# Altium PCB S7CAS-PLEIADES-CARTE-MERE_Pxx.PcbDoc (part 6 of 8) (continued)
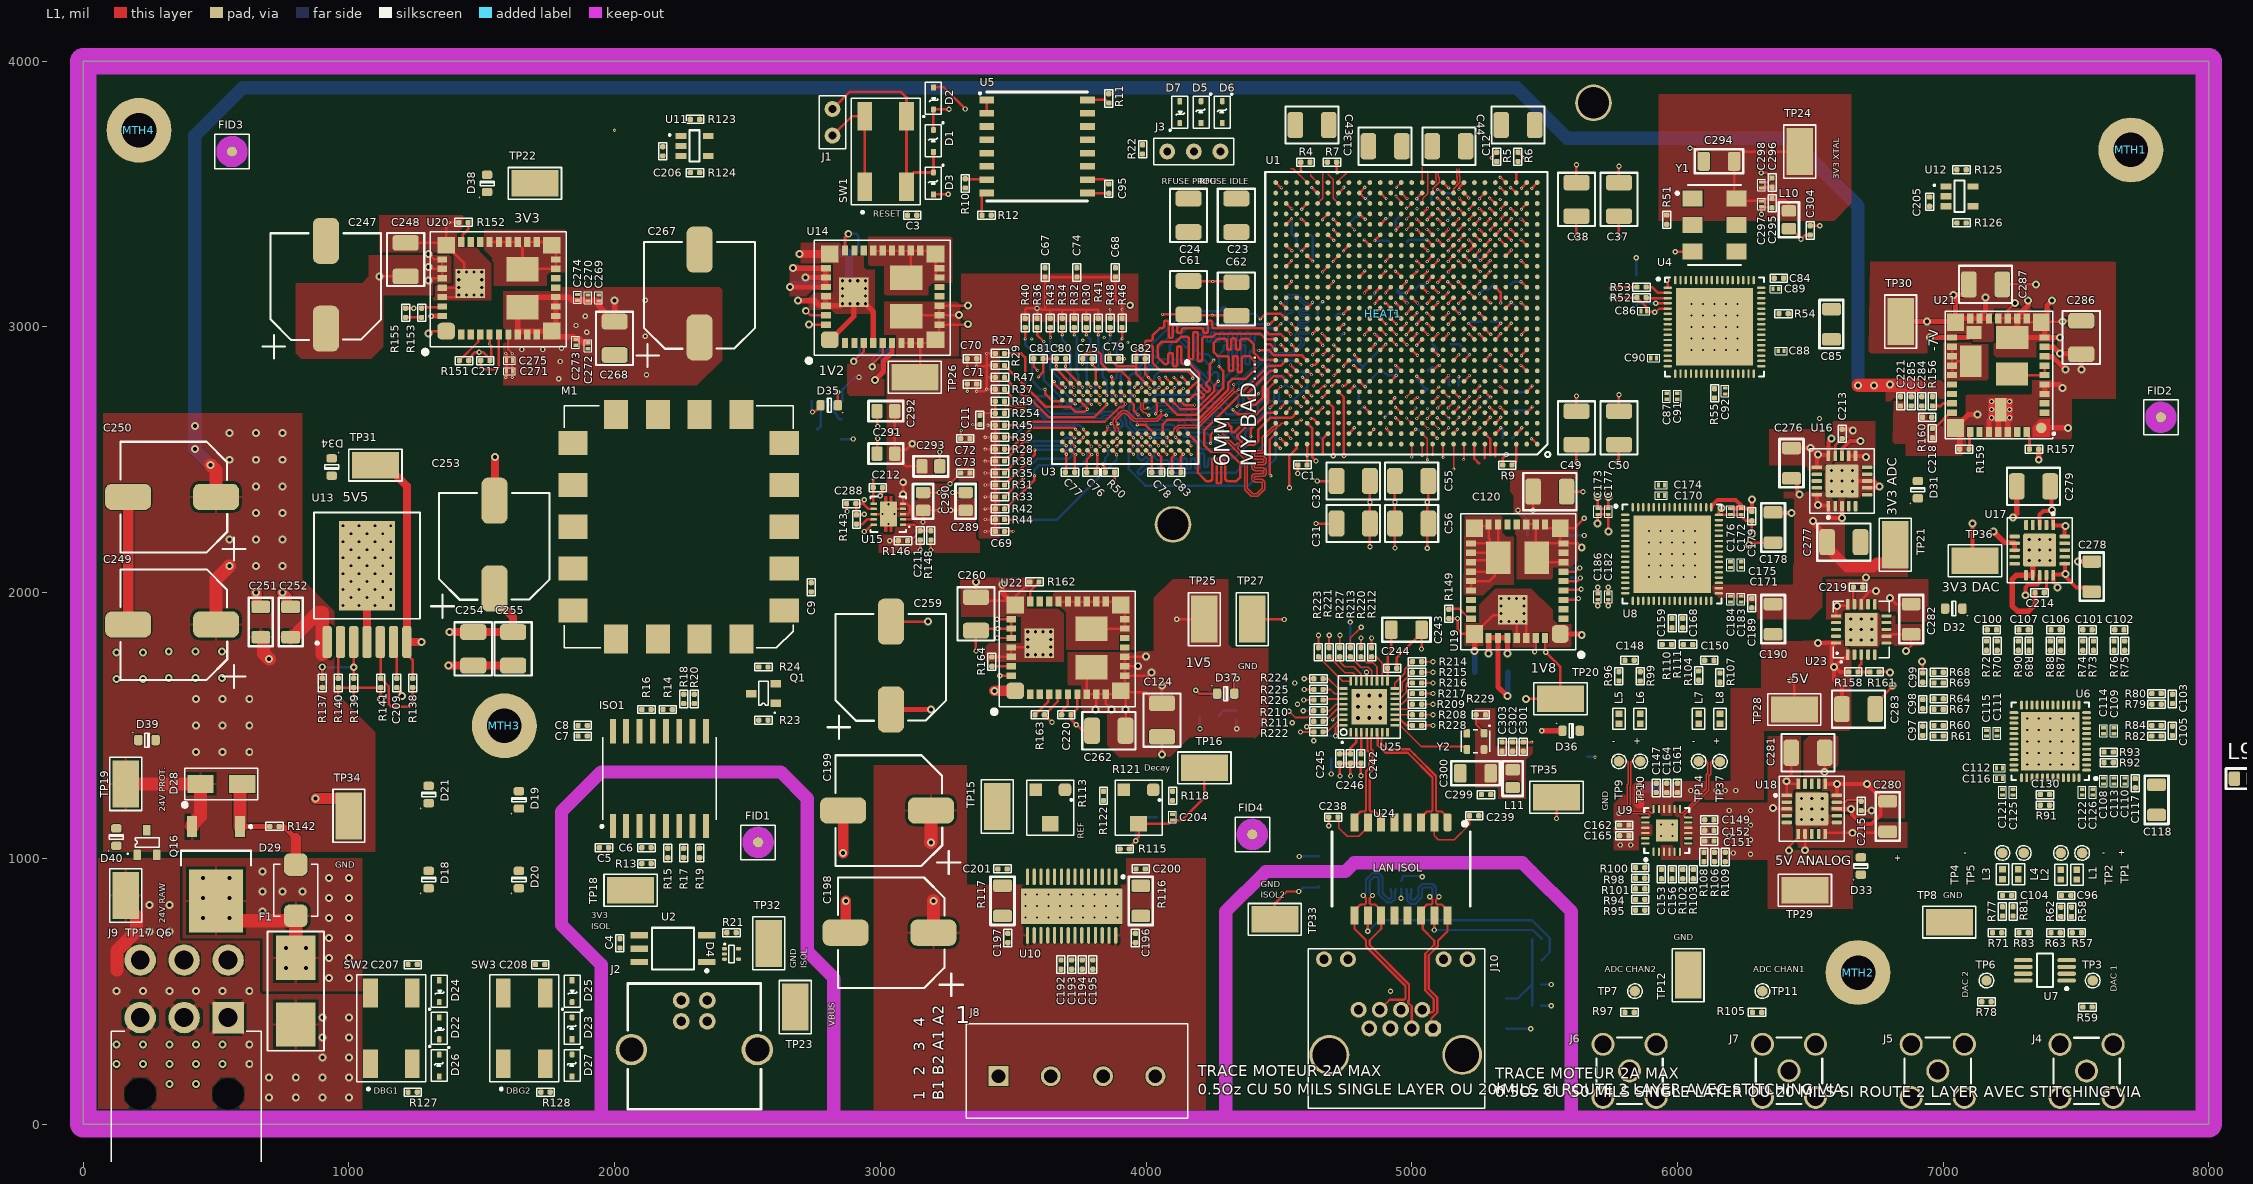
[diagram p0: L1 view]
## Nets (pads, with @x,y where several pads share a name; then routed paths per layer and width w, separated by ;. In a path a pad name is that pad's centre, name@x,y a point inside that pad or via, vN(x,y) a via of type N, cw(c..) or ccw(c..) an arc to the next point about the centre after c; other vN are vias at no path point) (continued)
  L1 w30: U13.4@1068.03,1813.9 v3(1068.03,1981.5) v3(1068.03,2041.5) v3(1068.03,2101.5) ; v2(1375.52,1725.52) C254.1@1468.03,1725.52 C255.1@1618.03,1725.52 ; C253.2@1548.03,2346.21 1550,2348.17 v2(1550,2510) ; v2(2695.67,3274.33) U14.29@2810,3274.33
  L1 w40: C249.2@169.29,1880 C250.2@169.29,2360 ; v2(650,2000) 652.53,1997.47 652.53,1949.91 656.03,1946.41 C251.1@668.03,1946.41 ; v2(750,2000) 765.25,1984.75 765.25,1949.91 768.75,1946.41 C252.1@780.75,1946.41 ; D29.2@800,976.46 800,1075 ; v2(875,1225) 970.2,1225 1000,1195.2 TP34.1@1000,1160 ; v2(2860,1020) C199.2@2860,1180 ; C198.2@2869.29,720 2869.29,839.29 v2(2870,840) ; v2(3430,1630) 3430.31,1630.31 U22.1@3507.6,1630.31
  L3 w9.39: v1(3918.99,2880) v1@3920.29,2878.69
  L2 (GND) w9.39: 4429.05,2598.69 4431.72,2596.02 4643.26,2596.02 4665.84,2618.6 4665.84,2638.09 4681.78,2654.02 4681.78,2719.07 4674.11,2726.74 ; v1(4544,2739) 4561.02,2721.98 4562.02,2721.98 4565.66,2718.34 4665.71,2718.34 4674.11,2726.74 ; 4775.02,2885.61 4742.85,2917.79 4742.85,2929.13 4710.67,2961.31 4634.73,2961.31 4623.43,2950 4520,2950 4508.36,2938.36 4508.36,2933.56 v1(4507.87,2933.07) 4559.98,2880.95 4559.98,2856.37 4581.36,2834.98 4605.95,2834.98 4610.93,2830 4629.35,2830 4657.98,2801.36 4657.98,2762.79 4675.69,2745.08 4675.69,2728.33 4674.11,2726.74
  L14 w9.39: v3(4203,1488) Q13.2@4203,1534 ; v1(4547.82,3407.68) 4548.32,3407.18 4548.32,3351.23 C15.1@4553.1,3346.45 4567.08,3332.47 4567.08,3304.16 v1(4586.02,3285.22) ; v3(4577,1007) C119.1@4650,1007 ; v1(4623.8,3524.2) 4624.3,3523.7 4624.3,3520.96 4650.5,3494.76 C16.1@4650.5,3487 ; R1.1@4641.29,2598.42 4666,2573.71 v1(4666,2522) ; v3(4697.05,1317.05) C241.1@4697.05,1375.51 ; v1(4705,3405) 4705.22,3405 C22.1@4724.4,3385.82 ; C63.1@4713.5,3040 4722.5,3049 v1(4743.5,3049) ; C2.1@4720.03,2952.75 4742.28,2975 v1(4745,2975) ; v1(4743.5,2852.15) 4765.36,2874.01 4791.72,2874.01 C57.1@4816.5,2849.24 ; v1(4784.04,2777.76) 4800,2761.8 C60.1@4800,2717.5 ; C57.1@4816.5,2845 C57.1@4816.5,2849.24 ; v1(4825,3483.66) 4825.5,3484.16 4827.11,3484.16 C21.1@4846.88,3503.93 ; v1@4828.28,3483.16 R8.1@4846.88,3464.56 ; C27.1@4846.88,3110.23 4846.88,3110.94 4861.11,3125.17 4861.11,3127.24 v1(4861.61,3127.74) ; v1(4902.15,2935.24) 4901.45,2935.24 4816.5,2850.29 C57.1@4816.5,2849.24 ; v1(4902.15,3407.68) 4902.65,3408.18 4909.97,3408.18 4921.79,3420 C20.1@4922.5,3420 ; C59.1@4921.25,2716.53 4921.25,2717.24 4935.76,2731.75 4935.76,2732.61 v1(4936.26,2733.11) ; v1(4938.76,3091.13) 4939.26,3090.63 4939.26,3088.24 C28.1@4957.5,3070 ; C45.1@4983.5,3324.24 C45.1@4983.5,3320 4990.85,3327.35 v1(5056.87,3327.35) ; C25.1@5013.5,3140 5013.5,3141.88 5030.06,3158.44 5049.08,3158.44 5057.75,3167.11 v1(5058.46,3167.11) ; v1(5015,2615) 5015.49,2614.51 5023.99,2614.51 C36.1@5039.5,2599 ; v1(5021.85,3089.96) 5022.35,3089.46 5022.35,3088.58 5039.36,3071.57 C29.1@5039.36,3070.86 ; C33.1@5060,2833.5 5074.79,2848.29 5097.59,2848.29 5104.29,2855 v1(5105,2855) ; C47.1@5074.36,3464.56 5074.36,3493.52 v1(5097.63,3516.79) 5098.13,3516.29 5105.74,3516.29 5118.1,3503.93 C10.1@5157.34,3503.93 ; C35.1@5077.87,2717.37 C35.1@5077.5,2717 5077.56,2717 5098.95,2738.39 v1(5099,2738.39) ; v1(5135.61,3400.51) 5136.11,3401.01 5136.11,3406.11 C48.1@5155,3425 ; C26.1@5146.5,2934 5178.98,2934 v1(5217.11,2895.87) ; C10.1@5157.34,3499.43 C10.1@5161.84,3503.93 ; v1(5176.57,3088.37) 5177.07,3088.87 5177.07,3090.46 C19.1@5196.84,3110.23 ; C34.1@5177.5,2780 v1(5177.5,2812.5) ; v1(5210.69,3285.9) 5211.19,3286.4 5215.53,3286.4 C18.1@5236.21,3307.08 ; C53.1@5237.5,2715 5255.98,2733.48 5255.98,2737.89 v1(5256.48,2738.39) ; v1(5255,3125) 5270.92,3140.92 5289.94,3140.92 5306.5,3157.48 C39.1@5306.5,3160 ; C40.1@5297.5,3020 5328.5,3020 5334.52,3013.98 v1(5335.22,3013.98) ; v1(5330.82,3330) 5331.11,3330 5354.03,3307.08 C42.1@5354.32,3307.08 ; v1(5335.22,2620.28) 5335.22,2619.57 5342.5,2612.29 C54.1@5342.5,2580 ; C51.1@5380,2753.5 5429.07,2753.5 v1(5453.33,2777.76) ; v1(5411.2,3091.13) 5411.7,3090.63 5413.29,3090.63 C41.1@5433.06,3070.86 ; C258.1@5562.99,2215 v3(5650,2215) ; R150.1@5600,2012.5 v3(5637.5,2012.5) ; C216.1@5600,2092.5 v3(5632.5,2092.5) ; C94.1@5844.69,3194 5844.69,3259.69 v3(5845,3260)
  L14 w9.44: Q11.2@2853.5,2578 v3(2898,2578)
  L14 w20: v2(2690,3100) 2757.5,3100 R147.1@2780,3077.5 ; v2(2980,2800) 3008.75,2828.75 3008.75,2891.25 C210.1@3037.5,2920 ; C256.1@5237.01,1700 v2(5237.01,1780.96)
  L14 w30: v2(2695.67,3274.33) 2771.34,3274.33 C264.1@2780,3282.99 2782.99,3280 R144.1@2882.5,3280 2882.5,3148.69 U14.37@2900.55,3130.63
  other v1: 3531,2679 5059.5,2693.29 3524,2717 3697.43,2851.66 3666,2929 1529.46,2935.54 3932,2941 3762,2950 3570,2955 3843,2960 4251,3171 5099,3366 5217,3366 5413,3366 5020,3445 5333,3480
  other v2: 325,150 425,150 125,225 225,225 325,225 425,225 525,225 125,300 225,300 325,300 425,300 525,300 6658.74,1096.12
  other v3: 3738,1503 4550,1510 4570,1580 4560,1660 978.03,1951.5 1038.03,1951.5 1098.03,1951.5 1158.03,1951.5 1008.03,1981.5 1128.03,1981.5 978.03,2011.5 1038.03,2011.5 1098.03,2011.5 1158.03,2011.5 1008.03,2041.5 1128.03,2041.5 978.03,2071.5 1038.03,2071.5 1098.03,2071.5 1158.03,2071.5 1008.03,2101.5 1128.03,2101.5 978.03,2131.5 1038.03,2131.5 1098.03,2131.5 1158.03,2131.5 1008.03,2161.5 1068.03,2161.5 1128.03,2161.5 978.03,2191.5 1038.03,2191.5 1098.03,2191.5 1158.03,2191.5 1008.03,2221.5 1068.03,2221.5 1128.03,2221.5 978.03,2251.5 1038.03,2251.5 1098.03,2251.5 1158.03,2251.5
  other v4: 3546.77,776.69 3590.08,776.69 3633.39,776.69 3676.69,776.69 3720,776.69 3763.31,776.69 3806.61,776.69 3849.92,776.69 3893.23,776.69 3546.77,820 3590.08,820 3633.39,820 3676.69,820 3720,820 3763.31,820 3806.61,820 3849.92,820 3893.23,820 3546.77,863.31 3590.08,863.31 3633.39,863.31 3676.69,863.31 3720,863.31 3763.31,863.31 3806.61,863.31 3849.92,863.31 3893.23,863.31 7316.69,1353.39 7360,1353.39 7403.31,1353.39 7446.61,1353.39 7489.92,1353.39 7316.69,1396.69 7360,1396.69 7403.31,1396.69 7446.61,1396.69 7489.92,1396.69 7316.69,1440 7360,1440 7403.31,1440 7446.61,1440 7489.92,1440 7316.69,1483.31 7360,1483.31 7403.31,1483.31 7446.61,1483.31 7489.92,1483.31 7316.69,1526.61 7360,1526.61 7403.31,1526.61 7446.61,1526.61 7489.92,1526.61 5893.39,2058.39 5936.69,2058.39 5980,2058.39 6023.31,2058.39 6066.61,2058.39 5893.39,2101.69 5936.69,2101.69 5980,2101.69 6023.31,2101.69 6066.61,2101.69 5893.39,2145 5936.69,2145 5980,2145 6023.31,2145 6066.61,2145 5893.39,2188.31 5936.69,2188.31 5980,2188.31 6023.31,2188.31 6066.61,2188.31 5893.39,2231.61 5936.69,2231.61 5980,2231.61 6023.31,2231.61 6066.61,2231.61 6053.07,2913.39 6096.38,2913.39 6139.69,2913.39 6182.99,2913.39 6226.3,2913.39 6053.07,2956.69 6096.38,2956.69 6139.69,2956.69 6182.99,2956.69 6226.3,2956.69 6053.07,3000 6096.38,3000 6139.69,3000 6182.99,3000 6226.3,3000 6053.07,3043.31 6096.38,3043.31 6139.69,3043.31 6182.99,3043.31 6226.3,3043.31 6053.07,3086.61 6096.38,3086.61 6139.69,3086.61 6182.99,3086.61 6226.3,3086.61
  other v5: 3554.84,1766.14 3583.84,1766.13 3612.58,1766.13 3641.52,1766.13 3641.54,1795.08 3554.84,1823.82 3641.54,1823.82 3554.84,1852.76 3583.86,1852.76 3612.6,1852.76 3641.54,1852.76 5336.69,1891.69 5365.63,1891.69 5394.37,1891.69 5336.69,1920.71 5423.32,1920.69 5336.69,1949.45 5423.32,1949.44 5336.69,1978.39 5365.63,1978.39 5394.37,1978.39 5423.32,1978.37 2886.25,3087.31 2914.99,3087.31 2943.92,3087.31 2857.24,3116.26 2943.94,3116.26 1442.32,3120 1471.06,3120 1500,3120 2857.24,3145 2943.94,3145 1413.32,3148.95 1500.01,3148.95 2857.24,3173.94 2886.26,3173.94 2915,3173.94 2943.94,3173.94 1413.32,3177.69 1500.01,3177.69 1442.34,3206.63 1471.08,3206.63 1500.01,3206.63
  other v6: 6466.53,1146.53 6505.9,1146.53 6545.27,1146.53 6466.53,1185.9 6505.9,1185.9 6545.27,1185.9 6466.53,1225.27 6505.9,1225.27 6545.27,1225.27 7323.94,2120.63 7363.31,2120.63 7402.68,2120.63 7323.94,2160 7402.68,2160 7323.94,2199.37 7363.31,2199.37 7402.68,2199.37 6580,2380.63 6619.37,2380.63 6658.74,2380.63 6580,2420 6619.37,2420 6580,2459.37 6619.37,2459.37 6658.74,2459.37
  other v7: 6652.57,1821.91 6691.94,1821.91 6731.31,1821.91 6652.57,1861.28 6691.94,1861.28 6731.31,1861.28 6652.57,1900.65 6691.94,1900.65 6731.31,1900.65
  other v8: 3940,3081
  other v9: 3030.48,2257.79 3053.11,2295.2
HSWAPEN: R9.2 U1.A3 | length 85.8
  L1 w10: R9.2@5377.5,2480 5393.69,2496.19 U1.A3@5393.69,2559.05
IND1_N: L6.2 R99.2
IND1_P: L5.2 R96.2
IND2_N: L8.2 R107.2
IND2_P: L7.2 R104.2
INIT_B: R5.1 U1.AE4 | length 30.3
  L1 w9.39: v1@5332.46,3524.2 5332.96,3523.7 5334.55,3523.7 U1.AE4@5354.32,3503.93
  other v1: 5332.71,3523.95
INTRP: R207.1 U1.D10 U25.21 | length 1284.2
  L1 w6.36: U25.21@4830.16,1666.77 v3(4830.16,1699.84) ; U1.D10@5118.1,2677.16 5118.9,2677.16 5139.17,2656.89 v1(5139.96,2656.89)
  L12 w3.64: v3(4830.16,1699.84) 4830.16,1831.16 4981.96,1982.96 4981.96,2356.96 5128.92,2503.92 5128.92,2532.78 5085.18,2576.52 5085.18,2626.18 5115.89,2656.89 v1(5139.96,2656.89)
  L14 w6.36: R207.1@4769.05,1758.01 4770.52,1758.01 4828.68,1699.84 v3(4830.16,1699.84)
ISENA: C200.2 R116.2 U10.1
ISENB: C201.2 R117.2 U10.14
ISOL2_GND: C119.2 C240.1 D30.3 D30.8 TP33.1 | length 472.5
  L1 w9: TP33.1@4485,770 4485,830 4530,875 v3(4575,875)
  L14 w9: v3(4575,875) 4577.98,875 4592.98,890 4647,890 C119.2@4650,893 ; v3(4960,850) D30.3@4960,884.84 ; D30.8@4960,915.16 4963.37,918.53 4963.37,926.19 4970.67,933.48 5033.54,933.48 5037.02,930 v3(5040,930) ; C240.1@5355,358 v3(5448,358)
ISOL_GND: C5.1 C6.1 D4.4 ISO1.2 ISO1.8 J2.4 J2.5 J2.6 R21.1 TP32.1
  other v3: 4920,500
LDM: U1.J24 U3.E7 | length 967.5
  L1 w9.39: v1(3967,2631.26) 3998.61,2631.26 U3.E7@4030.91,2598.96 ; U1.J24@4566.99,2873.94 4582.93,2858 v1(4583,2858)
  L14 w9.36: v1(3967,2631.26) 3966.5,2631.73 3966.5,2649.02 3953.97,2661.55 3953.97,2675.97 3992,2714 4008.97,2714 4039.97,2745 4171.2,2745 4186.73,2729.47 4187.49,2729.47 4220.96,2696 4280,2696 4304,2672 4339,2672 4366.69,2699.69 4366.69,2769.72 4469.73,2872.76 4568.2,2872.76 v1@4582.46,2858.5
LDQS_N: U1.F26 U3.G3 | length 964.6
  L1 w4.82: U3.G3@3968.5,2724.4 3979.33,2713.57 3979.33,2689.63 3992.31,2676.65 3999.94,2676.65 4009.28,2667.31 v1(4010.05,2667.31) ; U1.F26@4488.18,2755.9 v1(4507.87,2775.58)
  L14 w4.85: v1(4010.05,2667.31) 4010.05,2669.24 4013.34,2672.53 4013.34,2673.74 4020.56,2680.96 4024.51,2680.96 4047.28,2703.72 4067,2703.72 4074.35,2703.72 ccw(c4074.35,2718.42) 4089.05,2718.42 4089.05,2718.57 cw(c4093.19,2718.57) 4093.19,2722.72 4096.75,2722.72 cw(c4096.75,2718.57) 4100.89,2718.57 4100.89,2706.31 ccw(c4114.89,2706.31) 4114.89,2692.31 4118.44,2692.31 ccw(c4118.44,2706.31) 4132.44,2706.31 4132.44,2716.65 cw(c4136.58,2716.65) 4136.58,2720.79 4140.14,2720.79 cw(c4140.14,2716.65) 4144.29,2716.65 4144.29,2714.8 ccw(c4158.98,2714.8) 4148.61,2704.39 4175,2678 4188.07,2678 4190,2676.07 4226.35,2639.72 4238,2639.72 4245.35,2639.72 ccw(c4245.35,2654.42) 4260.05,2654.42 4260.05,2664.39 cw(c4264.19,2664.39) 4264.19,2668.54 4267.75,2668.54 cw(c4267.75,2664.39) 4271.89,2664.39 4271.89,2654.42 ccw(c4286.59,2654.42) 4286.59,2639.72 4311,2639.72 4351.72,2639.72 4400,2688 4400,2760 4447.5,2807.5 4447.99,2807.99 4454.84,2807.99 ccw(c4454.84,2822.69) 4469.54,2822.69 4469.54,2834 cw(c4473.69,2834) 4473.69,2838.15 4477.24,2838.15 cw(c4477.24,2834) 4481.39,2834 4481.39,2822.69 ccw(c4496.09,2822.69) 4496.09,2807.99 4509.99,2807.99 4522.63,2795.36 4522.63,2778.43 4519.79,2775.59 v1(4507.87,2775.58)
LDQS_P: U1.F24 U3.F3 | length 965.1
  L1 w4.82: U3.F3@3999.99,2724.4 3989.16,2713.57 3989.16,2693.7 3991.98,2690.87 3997.24,2690.87 3999.75,2693.39 4007.22,2693.39 v1(4008.06,2694.23) ; v1(4547.24,2775.59) U1.F24@4566.92,2755.9
  L14 w4.85: v1(4008.06,2694.23) 4009.99,2694.23 4013.42,2690.8 4020.43,2690.8 4043.2,2713.57 4067,2713.57 4074.35,2713.57 ccw(c4074.35,2718.42) 4079.2,2718.42 4079.2,2718.57 cw(c4093.19,2718.57) 4093.19,2732.57 4096.75,2732.57 cw(c4096.75,2718.57) 4110.74,2718.57 4110.74,2706.31 ccw(c4114.89,2706.31) 4114.89,2702.16 4118.44,2702.16 ccw(c4118.44,2706.31) 4122.59,2706.31 4122.59,2716.65 cw(c4136.58,2716.65) 4136.58,2730.64 4140.14,2730.64 cw(c4140.14,2716.65) 4154.13,2716.65 4154.13,2714.8 ccw(c4158.98,2714.8) 4155.55,2711.37 4179.08,2687.85 4190,2687.85 4192.15,2687.85 4197.99,2682.01 4199.7,2680.3 ccw(c4203.13,2683.73) 4206.56,2680.3 4207.92,2681.66 cw(c4210.85,2678.73) 4213.79,2681.66 4216.3,2679.15 cw(c4213.37,2676.22) 4216.3,2673.29 4214.93,2671.92 ccw(c4218.36,2668.49) 4214.93,2665.07 4222.62,2657.38 4224.34,2655.66 4230.43,2649.57 4238,2649.57 4245.35,2649.57 ccw(c4245.35,2654.42) 4250.2,2654.42 4250.2,2664.39 cw(c4264.19,2664.39) 4264.19,2678.39 4267.75,2678.39 cw(c4267.75,2664.39) 4281.74,2664.39 4281.74,2654.42 ccw(c4286.59,2654.42) 4286.59,2649.57 4311,2649.57 4347.64,2649.57 4390.15,2692.08 4390.15,2764.08 4443.91,2817.84 4447.5,2817.84 4454.84,2817.84 ccw(c4454.84,2822.69) 4459.69,2822.69 4459.69,2834 cw(c4473.69,2834) 4473.69,2848 4477.24,2848 cw(c4477.24,2834) 4491.24,2834 4491.24,2822.69 ccw(c4496.09,2822.69) 4496.09,2817.84 4505.91,2817.84 4514.07,2817.84 4532.47,2799.44 4532.47,2785.47 ; 4532.47,2782.59 4532.47,2778.43 4535.31,2775.59 v1(4547.24,2775.59)
M0: R7.2 U1.AF22 | length 42.3
  L1 w6.36: 4620,3575 4620,3568.96 U1.AF22@4645.66,3543.3
M1: R8.2 U1.AD16
MDC: R209.1 U1.A9 | length 1054.9
  L1 w6.36: R209.1@5037.5,1580 v3(5080,1580) ; U1.A9@5157.47,2559.05 5158.24,2558.29 5158.24,2465.76 v1(5159,2465)
  L12 w3.64: v3(5080,1580) 5120,1620 5120,2006 5159,2045 v1(5159,2465)
MDIO: R208.1 U1.C9 | length 1251.3
  L1 w6.36: R208.1@5037.5,1540 v3(5080,1540) ; U1.C9@5157.47,2637.79 5157.47,2638.58 5177.74,2658.86 v1(5177.74,2659.65)
  L12 w3.64: v3(5080,1540) 5131,1591 5131,1944 5174,1987 5174,2584.44 5200,2610.44 5200,2637.39 v1(5177.74,2659.65)
MII_CONFIG2: R212.1 U1.B10 | length 977.4
  L1 w6.36: R212.1@4849.05,1793.01 v3(4849.05,1829.05) ; U1.B10@5118.1,2598.42 5118.1,2599.21 5138.37,2619.49 v1(5138.37,2620.28)
  L12 w3.64: v3(4849.05,1829.05) 4999,1979 4999,2362 5138.37,2501.37 v1(5138.37,2620.28)
MII_NWAYEN: R218.1 U1.C10 U25.30 | length 1396.4
  L1 w6.36: v1(4703,1521) 4722.56,1540.56 4743.32,1540.56 U25.30@4743.54,1540.79 ; v1(5096.24,2658.06) 5097.04,2658.06 5117.31,2637.79 U1.C10@5118.1,2637.79
  L3 w3.64: v1(4703,1521) 4703,1593.64 4990.43,1881.07 4990.43,2402.93 5102,2514.5 5102,2568.49 5117.31,2583.8 5117.31,2637 v1(5096.24,2658.06)
MII_RXC: R220.1 U1.A13 | length 842.2
  L1 w6.36: R220.1@4809.05,1793.01 v3(4809.05,1829.05) ; v1@4999.99,2513.3 U1.A13@4999.99,2559.05
  L12 w3.64: v3(4809.05,1829.05) 4891,1911 4891,2401.4 v1(5000,2510.4)
MII_RXD0: R214.1 U1.D11 | length 1181.9
  L1 w6.36: R214.1@5037.5,1740 v3(5080,1740) ; v1(5058.46,2655.3) 5058.46,2656.1 5078.73,2676.37 U1.D11@5078.73,2677.16
  L3 w3.64: v1(5058.46,2655.3) 5078.73,2675.57 5141.43,2675.57 5210,2607 5210,2470 5080,2340 v3(5080,1740)
MII_RXD1: R215.1 U1.F11 | length 1298.8
  L1 w6.36: R215.1@5037.5,1700 v3(5080,1700) ; U1.F11@5078.73,2755.9 5081.8,2755.9 5085.87,2759.97 5087.97,2759.97 v1(5102,2774)
  L3 w3.64: v3(5080,1700) 5095,1715 5095,2335 5236.21,2476.21 5236.21,2663.79 5187.59,2712.41 5134.34,2712.41 5120,2726.75 5120,2740.29 5102,2758.29 v1(5102,2774)
MII_RXD2: R216.1 U1.C11 | length 1185.2
  L1 w6.36: R216.1@5037.5,1660 v3(5080,1660) ; U1.C11@5078.73,2637.79 5079.53,2637.79 5099.8,2617.52 v1(5100.59,2617.52)
  L12 w3.64: v3(5080,1660) 5007,1733 5007,1966.49 5135.48,2094.97 5135.48,2469.48 5151.21,2485.21 5151.21,2622.74 5142.85,2631.1 5114.17,2631.1 v1(5100.59,2617.52)
MII_RXD3: R217.1 U1.A11 | length 83.8
  L1 w6.36: R217.1@5037.5,1620 v3(5080,1620) ; v1@5078.73,2517.73 U1.A11@5078.73,2559.05
  other v1: 5078.73,2520.08
MII_RXER: R213.1 U1.A10 | length 1081
  L1 w6.36: R213.1@4769.05,1793.01 4769.05,1829.05 v3(4810,1870) ; v1@5118.1,2509.1 v1(5118.1,2509.5) U1.A10@5118.1,2559.05
  L12 w3.64: v3(4810,1870) 4810,2403.16 4978.84,2572 5055.6,2572 v1(5118.1,2509.5)
MII_TXC: R227.1 U1.C13 | length 995.9
  L1 w6.36: R227.1@4729.05,1793.01 4729.05,1839.05 v3(4730,1840) ; v1(4980,2657) 4980.39,2657 4999.6,2637.79 U1.C13@4999.99,2637.79
  L12 w3.64: v3(4730,1840) 4730,2407 v1(4980,2657)
MII_TXD0: R223.1 U1.D12 | length 1126.1
  L1 w6.36: R223.1@4649.05,1793.01 v3(4649.05,1839.05) ; v1(5019.09,2655.3) 5019.09,2656.1 5039.36,2676.37 U1.D12@5039.36,2677.16
  L3 w3.64: v3(4649.05,1839.05) 4649.05,2104.05 4815.69,2270.69 4815.69,2395.69 5011.6,2591.6 5053.1,2591.6 5072.04,2610.54 5072.04,2622.96 5039.7,2655.3 v1(5019.09,2655.3)
MII_TXD1: R224.1 U1.C12 | length 1263.1
  L1 w6.36: v3(4595.51,1675.51) R224.1@4631.55,1675.51 ; U1.C12@5039.36,2637.79 5040.16,2637.79 5060.43,2617.52 v1(5061.22,2617.52)
  L3 w3.64: v3(4595.51,1675.51) 4595.51,1779.49 4625,1808.99 4625,2100 4790,2265 4790,2430 4993,2633 5045.74,2633 v1(5061.22,2617.52)
MII_TXD2: R225.1 U1.F13 | length 1339.3
  L1 w6.36: v3(4595.51,1635.51) R225.1@4631.55,1635.51 ; v1(4980.78,2736.3) 4980.78,2736.69 U1.F13@4999.99,2755.9 U1.F13@4999.99,2756.29
  L12 w3.64: v3(4595.51,1635.51) 4625.62,1665.62 4625.62,1947.91 4687.48,2009.77 4687.48,2428.48 4881,2622 4881,2662 4955.3,2736.3 v1(4980.78,2736.3)
MII_TXD3: R226.1 U1.D13 | length 1336.3
  L1 w6.36: v3(4593.51,1595.51) R226.1@4631.55,1595.51 ; U1.D13@4999.99,2677.16 4999.99,2677.95 5015.94,2693.9 v1(5015.94,2694.7)
  L12 w3.64: v3(4593.51,1595.51) 4790,1792 4790,2426 5000,2636 5000,2678.76 v1(5015.94,2694.7)
MII_TXEN: R221.1 U1.B12 | length 1078.1
  L1 w6.36: R221.1@4689.05,1793.01 4689.05,1839.05 v3(4690,1840) ; U1.B12@5039.36,2598.42 5059,2578.78 5059,2501 v1(5060,2500)
  L3 w3.64: v3(4690,1840) 4690,2120 4875,2305 4875,2415 5005,2545 5040,2545 5058.96,2526.04 5058.96,2501.04 v1(5060,2500)
MII_TXER: R222.1 U1.A12 | length 1358.2
  L1 w6.36: v3(4581.49,1475.51) R222.1@4631.55,1475.51 ; v1@5039.36,2515.36 v1(5039.36,2515.76) U1.A12@5039.36,2559.05
  L3 w3.64: v3(4581.49,1475.51) 4640.51,1475.51 4667,1502 4667,1721 4744.82,1798.82 4744.82,1914.18 4955,2124.36 4955,2431.4 v1(5039.36,2515.76)
MISO: R12.2 U1.AD20 | length 126.8
  L1 w6.36: 4685,3575 4705,3555 4705,3483.96 U1.AD20@4724.4,3464.56
MOSI: U1.AF20 U5.15 | length 54.6
  L1 w6.36: U1.AF20@4724.4,3543.3 4726.57,3545.47 4726.57,3551.57 4758.67,3583.67
nCAS: R46.2 U1.J22 U3.K3 | length 1795.6
  L1 w9.39: U3.K3@3874.01,2724.4 3876.26,2724.4 3880.43,2720.24 3881.05,2720.24 v1@3887.36,2713.93 ; v1(3910,2955.47) R46.2@3910,2997.5 ; v1(4624,2854.76) 4624.71,2854.76 4627.74,2857.79 4637.21,2857.79 4644.07,2864.65 4644.07,2872.42 U1.J22@4645.66,2874.01
  L3 w5.82: v1(3887.36,2708.66) 3904.08,2708.66 3917.11,2695.62 3965.1,2695.62 3999.98,2730.5 4148,2730.5 4150.91,2730.5 ccw(c4150.91,2736.33) 4156.73,2736.33 4156.73,2757.64 cw(c4161.22,2757.64) 4161.22,2762.12 4165.07,2762.12 cw(c4165.07,2757.64) 4169.56,2757.64 4169.56,2736.33 ccw(c4175.38,2736.33) 4175.38,2730.5 4222,2730.5 4249.74,2730.5 4257.72,2738.49 4260.63,2741.4 ccw(c4255.22,2746.82) 4262.88,2746.82 4262.88,2776.53 cw(c4267.37,2776.53) 4267.37,2781.02 4271.21,2781.02 cw(c4271.21,2776.53) 4275.7,2776.53 4275.7,2770.52 ccw(c4281.52,2770.52) 4285.64,2766.41 4312.46,2793.23 ccw(c4308.35,2797.35) 4314.17,2797.35 4314.17,2847.07 cw(c4318.66,2847.07) 4318.66,2851.56 4322.5,2851.56 cw(c4322.5,2847.07) 4326.99,2847.07 4326.99,2801.87 ccw(c4331.48,2801.87) 4331.48,2797.38 4335.33,2797.38 ccw(c4335.33,2801.87) 4339.81,2801.87 4339.81,2861.36 cw(c4344.3,2861.36) 4344.3,2865.85 4348.15,2865.85 cw(c4348.15,2861.36) 4352.64,2861.36 4352.64,2783.65 ccw(c4357.12,2783.65) 4357.12,2779.17 4360.97,2779.17 ccw(c4360.97,2783.65) 4365.46,2783.65 4365.46,2861.36 cw(c4369.95,2861.36) 4369.95,2865.85 4373.79,2865.85 cw(c4373.79,2861.36) 4378.28,2861.36 4378.28,2801.87 ccw(c4382.77,2801.87) 4382.77,2797.38 4386.62,2797.38 ccw(c4386.62,2801.87) 4391.1,2801.87 4391.1,2813.53 cw(c4396.93,2813.53) 4396.93,2819.35 4415.45,2819.35 4424,2819.35 4426.91,2819.35 ccw(c4426.91,2825.17) 4432.73,2825.17 4432.73,2861.36 cw(c4437.22,2861.36) 4437.22,2865.85 4441.07,2865.85 cw(c4441.07,2861.36) 4445.56,2861.36 4445.56,2801.59 ccw(c4450.04,2801.59) 4450.04,2797.1 4453.89,2797.1 ccw(c4453.89,2801.59) 4458.38,2801.59 4458.38,2813.53 cw(c4464.2,2813.53) 4464.2,2819.35 4475,2819.35 4489.65,2834 4584.95,2834 4605.72,2854.76 v1(4624,2854.76)
  L14 w9.36: v1(3887.36,2708.66) 3871.36,2724.66 3871.36,2791.03 3889.5,2809.17 3889.5,2934.97 v1(3910,2955.47)
nCS: R48.2 U3.L2 | length 292.7
  L1 w9.39: U3.L2@3842.51,2755.9 3842.51,2753.65 3852.54,2743.62 3852.54,2742.13 v1(3853.04,2741.63) ; v1(3865,2970) R48.2@3865,2997.5
  L14 w9.39: v1(3853.04,2741.63) 3853.04,2796.96 3837,2813 3837,2922 3865,2950 v1(3865,2970)
NetC11_2: C11.2 R49.1 R254.1 | length 104.9
  L1 w9.39: C11.2@3375,2667.5 3375.71,2667.5 3383.21,2675 R254.1@3431.79,2675 ; R254.1@3432.5,2675 R49.1@3432.5,2720
NetC84_2: C84.2 U4.48
NetC93_2: C93.2 U4.38
NetC94_2: C94.2 U4.4 | length 122.4
  L1 w9.39: v3(5918.58,3088.58) U4.4@5963.5,3088.58
  L14 w9.39: C94.2@5844.69,3080 5853.27,3088.58 v3(5918.58,3088.58)
NetC97_2: C97.2 R60.1 R61.1
NetC98_2: C98.2 R64.1 R67.1
NetC99_2: C99.2 R68.1 R69.1
NetC100_2: C100.2 R70.1 R72.1
NetC101_2: C101.2 R73.1 R74.1
NetC102_2: C102.2 R75.1 R76.1
NetC103_2: C103.2 R79.1 R80.1
NetC105_2: C105.2 R82.1 R84.1
NetC106_2: C106.2 R87.1 R88.1
NetC107_2: C107.2 R89.1 R90.1
NetC130_2: C130.2 U6.42
NetC192_2: C192.2 U10.20
NetC193_1: C193.1 U10.22
NetC194_2: C194.2 U10.23
NetC195_2: C195.2 U10.24
NetC209_2: C209.2 U13.6 | length 140.7
  L1 w9.44: U13.6@1168.03,1813.9 1168.03,1769 1180,1757.03 C209.2@1180,1678.19
NetC210_2: C210.2 U14.6 | length 188.2
  L1 w10: v8(2970,2850) 2973.44,2853.44 2973.44,2863.44 3008.82,2898.82 U14.6@3008.82,2938.7
  L14 w10: v8(2970,2850) 2970,2880 2998.12,2908.12 2998.12,2915.62 C210.2@3002.5,2920
NetC211_2: C211.2 R146.1 R148.2 U15.1 | length 178.1
  L1 w9.44: U15.1@3085.59,2255.83 3127.35,2255.83 C211.2@3150.48,2232.7 ; R146.1@3102.5,2195 3106.17,2198.67 3116.46,2198.67 C211.2@3150.48,2232.7 ; R148.2@3190.48,2232.7 C211.2@3150.48,2232.7
NetC213_1: C213.1 U16.14 | length 76.4
  L1 w10: U16.14@6593.78,2514.49 6593.78,2553.78 C213.1@6620,2580
NetC214_1: C214.1 U17.14 | length 68.9
  L1 w10: C214.1@7380.81,2000 7380.81,2000.54 7388.9,2008.63 U17.14@7388.9,2065.51
NetC215_1: C215.1 U18.14 | length 96.8
  L1 w10: U18.14@6600.39,1211.5 6631.5,1211.5 6640,1220 6680.56,1220 6681.59,1218.97 6687.03,1218.97 C215.1@6691.42,1214.59
NetC216_2: C216.2 U19.6 | length 104
  L1 w9.39: U19.6@5571.93,2043.27 5623.27,2043.27 v3(5635,2055)
  L14 w9.39: C216.2@5600,2057.5 5601.25,2056.25 5633.75,2056.25 v3(5635,2055)
NetC217_2: C217.2 U20.6 | length 219.5
  L1 w9.44: C217.2@1495.98,2873.17 1495.98,2854.02 1510,2840 1555,2840 1564.9,2849.9 U20.6@1564.9,2971.39
NetC218_1: C218.1 U21.28 | length 98.4
  L1 w10: C218.1@6960,2617.5 6964.38,2621.88 6971.88,2621.88 7026.93,2676.93 U21.28@7033.82,2676.93
NetC219_1: C219.1 U23.14 | length 65.8
  L1 w9.39: C219.1@6662.5,2020 6662.5,1972.41 6666.35,1968.56 U23.14@6666.35,1955.77
NetC220_2: C220.2 U22.6 | length 87.4
  L1 w9.39: C220.2@3682.5,1540 3684.56,1542.06 3684.56,1555.56 3706.42,1577.42 U22.6@3706.42,1617.52
NetC238_2: C238.2 U24.7 | length 186.6
  L1 w6.36: C238.2@4726,1146 4726,1114 4757.5,1082.5 4801,1082.5 4835,1116.5 U24.7@4835,1135
NetC239_2: C239.2 U24.2 | length 244.7
  L1 w6.36: U24.2@5085,1135 5085,1085.55 5100.55,1070 5160,1070 5217.5,1127.5 C239.2@5217.5,1160
NetC240_2: C240.2 R201.1 R202.1 R203.1 R204.1 | length 371.5
  L14 w8.62: C240.2@5355,472 5399.5,472 R201.1@5452.5,525 ; R202.1@5452.5,445 5453.75,446.25 5453.75,694.75 R203.1@5455,696
NetD18_K: D18.K R129.2
NetD19_K: D19.K R130.2
NetD20_K: D20.K R133.2
NetD21_K: D21.K R134.2
NetD28_1: D28.1 Q6.1 R142.2 | length 278
  L1 w20: Q6.1@589.76,1119.13 590.63,1120 R142.2@702.5,1120
  L1 w50: Q6.1@589.76,1119.13 589.76,1271.54 598.23,1280 D28.1@598.74,1280
NetD31_K: D31.K R230.2
NetD32_K: D32.K R231.2
NetD33_K: D33.K R232.2
NetD34_K: D34.K R233.2
NetD35_K: D35.K R234.2 | length 82.7
  L1 w9.39: v3(2745,2680) 2747.03,2682.03 2754.27,2682.03 2775.02,2702.78 D35.K@2775.02,2705
  L14 w9.39: R234.2@2742.5,2720 2742.5,2682.5 v3(2745,2680)
NetD36_K: D36.K R235.2
NetD37_K: D37.K R236.2 | length 100.1
  L1 w9.39: D37.K@4332.48,1620 4332.48,1665.48 v3(4343,1676)
  L14 w9.39: R236.2@4340,1637.5 4341.5,1639 4341.5,1674.5 v3(4343,1676)
NetD38_K: D38.K R237.2
NetD39_K: D39.K R246.2
NetD40_K: D40.K R248.2
NetISO1_4: ISO1.4 R13.1
NetISO1_5: ISO1.5 R15.1
NetISO1_12: ISO1.12 R14.2
NetISO1_13: ISO1.13 R16.2
NetJ3_3: J3.3 R22.2
NetJ4_1: J4.1 R59.1
NetJ5_1: J5.1 R78.1
NetJ10_4: J10.4 J10.5 R202.2 | length 761.5
  L3 w8.62: J10.5@4920,360 4929.64,369.64 4929.64,399.64 J10.4@4960,430 5054.92,524.92 5445.08,524.92 v3(5525,445)
  L14 w8.62: R202.2@5487.5,445 v3(5525,445)
NetJ10_7: J10.7 J10.8 R201.2 | length 1025.1
  L3 w8.62: J10.7@4840,360 4809.64,390.36 4809.64,420.36 J10.8@4800,430 5060,690 5360,690 v3(5525,525)
  L14 w8.62: R201.2@5487.5,525 v3(5525,525)
NetM1_10: M1.10 U1.E21 | length 214.8
  L1 w9.39: U1.E21@4685.03,2716.53 4705,2696.56 v3@4705,2510
  other v3: 4705,2514.55
NetM1_11: M1.11 U1.A24 | length 175.2
  L1 w9.39: v3(4540,2395) 4540,2515 4566.92,2541.92 U1.A24@4566.92,2559.05
NetM1_12: M1.12 U1.F20 | length 254.4
  L1 w9.39: U1.F20@4724.4,2755.9 4745,2735.3 v3@4745,2510
  other v3: 4745,2515.88